# Altium PCB PCB2.PcbDoc (part 1 of 2)
Units mm, origin at the board's own origin, x right, y up, seen from the top; angles counter-clockwise.
Board outline 426.42 x 149.73 mm, 2 copper layers (Top Layer, Bottom Layer); 141 components, 61 nets, 312 pads, 761 vias.
Unrouted connection lines stored in the file: 1.
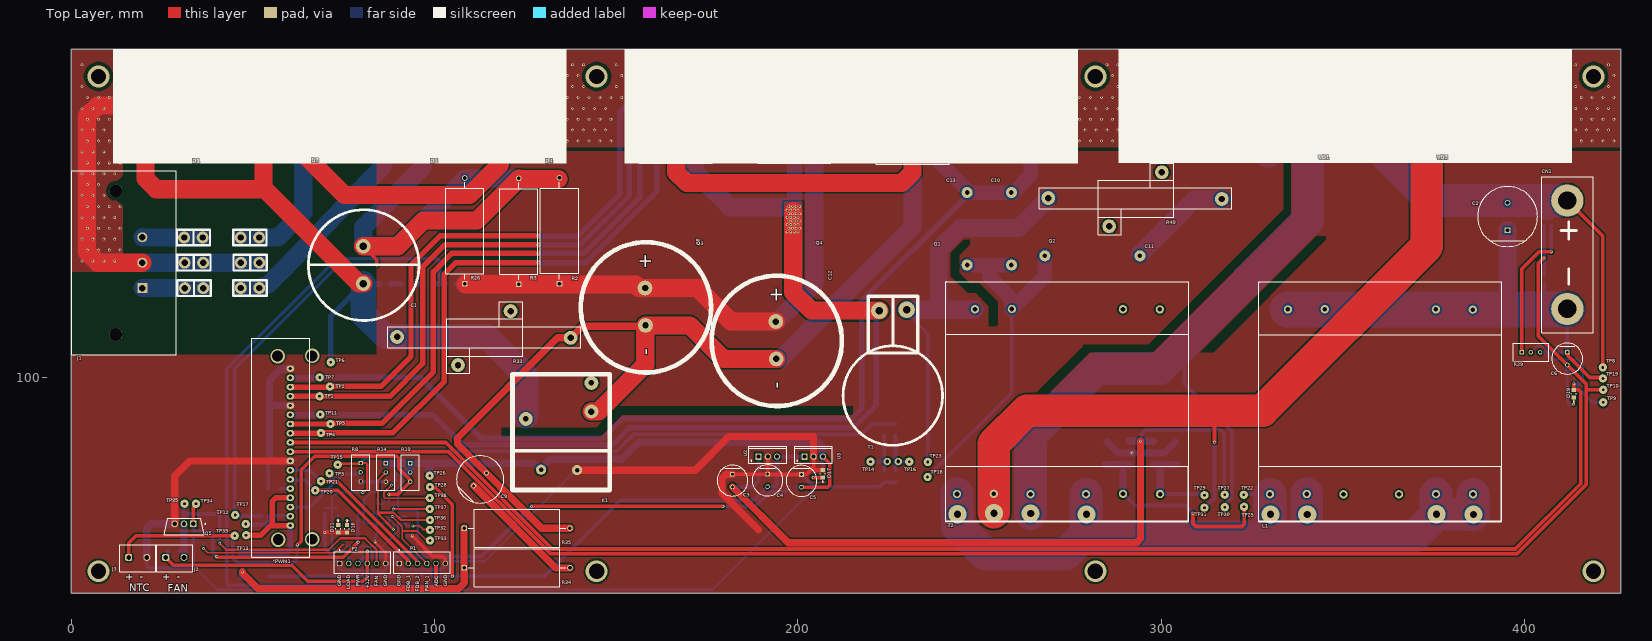
[diagram p0: Top Layer view]
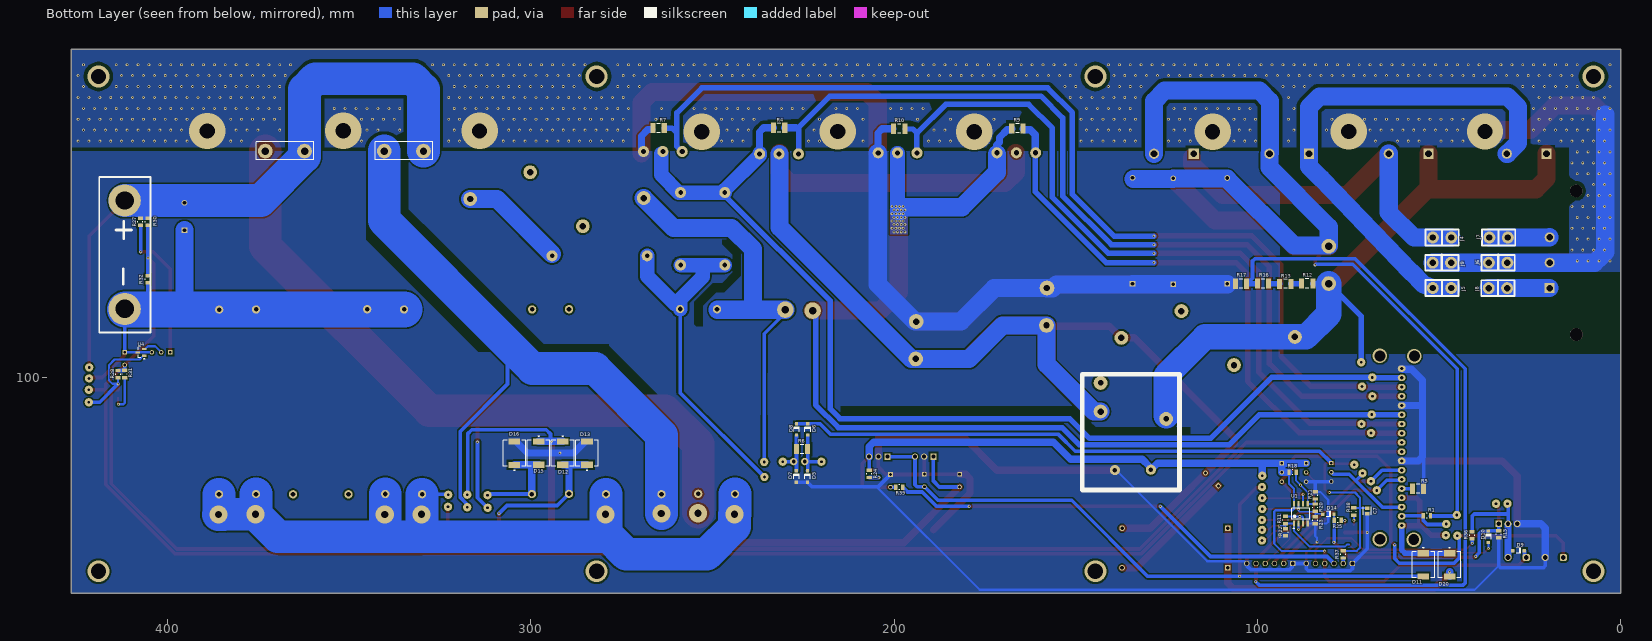
[diagram p1: Bottom Layer view, seen from below]
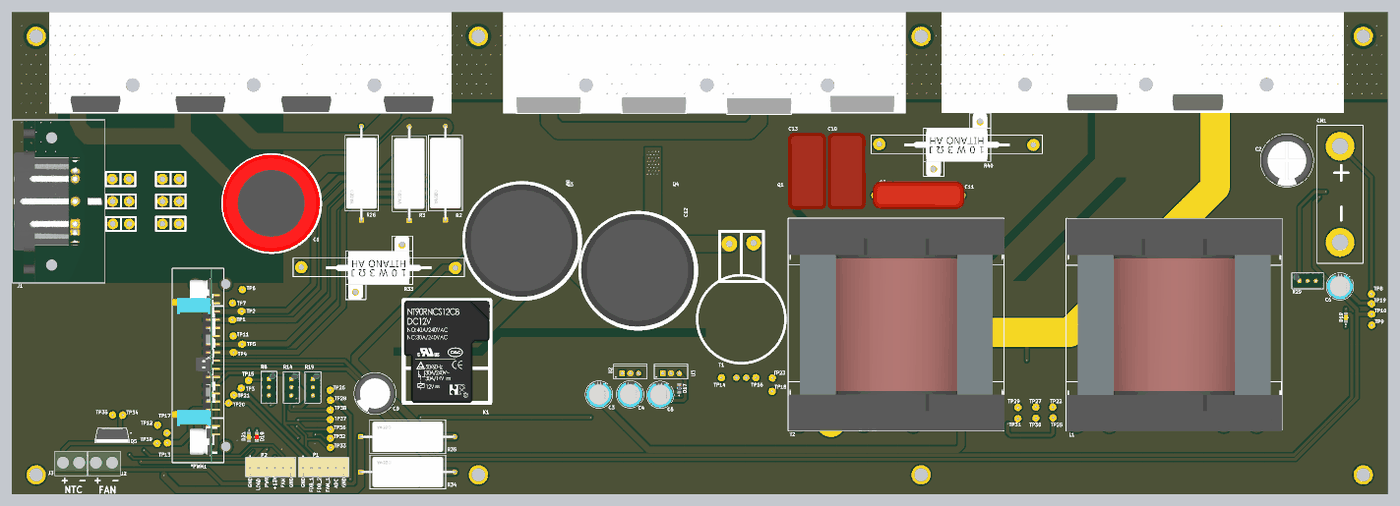
[diagram p3: 3D render of the assembled board from above, using the file's embedded part models]
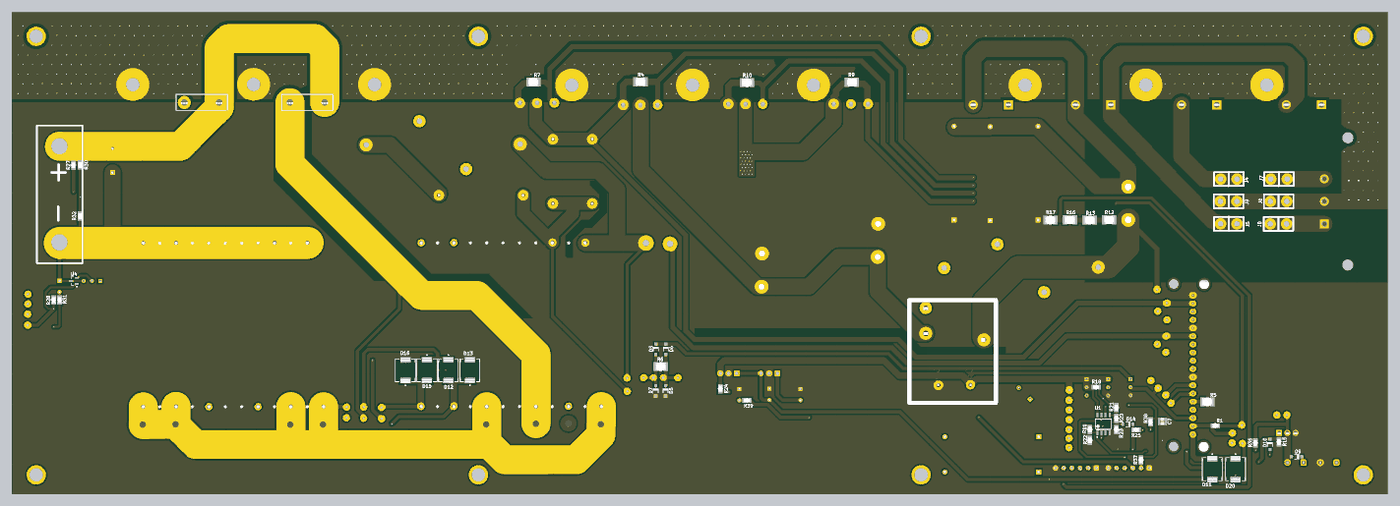
[diagram p4: 3D render of the assembled board from below, using the file's embedded part models]

## Layer stack, top to bottom
Top Solder: solder mask 0.0102, Solder Resist, Dk 3.5
Top Layer: signal copper 0.0356
Dielectric 1: dielectric 0.32, FR-4, Dk 4.8
Bottom Layer: signal copper 0.0356
Bottom Solder: solder mask 0.0102, Solder Resist, Dk 3.5

## Board outline
0,40.564 0,190.297 426.415,190.297 426.415,40.564

## Design rules (kind name [scope] priority, off if disabled: settings)
Clearance GND [InNet('GND')] p1: gap=0.5 ignorepadtopadclearanceinfootprint=FALSE
Clearance PE [InNet('PE')] p2: gap=1 ignorepadtopadclearanceinfootprint=FALSE
Clearance Clearance_1 [All] p3: gap=0.254 ignorepadtopadclearanceinfootprint=FALSE
ComponentClearance [All] p1: gap=-10 collisioncheckmode=3 verticalgap=-10 showdistances=FALSE
Height [All] p1: minheight=0 maxheight=68.58 prefheight=12.7
PlaneClearance [InNet('PE')] p1: clearance=5
PlaneConnect [All] p1: planeconnectstyle=Direct reliefexpansion=0.508 reliefentries=4 reliefconductorwidth=0.254 reliefairgap=0.254
PolygonConnect [All] p1: connectstyle=Direct reliefconductorwidth=0.254 reliefentries=4 polygonreliefangle="90 Angle" airgapwidth=0.254
RoomDefinition Sheet1 [InComponentClass('Sheet1')] p1: confinementstyle=ConfineIn formatcopy=TRUE lockcomponents=FALSE outline 0,0 626.999,0 626.999,336.804 0,336.804
RoutingVias [All] p1: holewidth=0.4 width=0.8 viastyle="Through Hole" minholewidth=0.4 minwidth=0.8 maxholewidth=0.711 maxwidth=1.27
SolderMaskExpansion [All] p1: expansion=0.102 istentingtop=FALSE
Width [All] p1: maxlimit=10 minlimit=0.254 preferedwidth=1 minimp=50.000000 maximp=50.000000 favimp=50.000000
26 further rules are at their usual default settings.

## Components (designator, comment, footprint, x,y, rotation, side; value= is the part's Value field where it differs from the comment)
*PWM1 "PWM_controller" PWM_controller 109.347,87.782 r270 top
C1 "450V_330uF" CAP_450V_330uF 75.946,133.274 r0 top
C2 "EEUFC2A471" FP-RAD-TH-D_16_0_5-L_40_2-MFG 395.224,144.221 r90 top
C3 "UKA1H101MPD1TD" FP-UKA1H101MPD1TD-MFG 181.966,71.577 r270 top
C4 "UKA1H101MPD1TD" FP-UKA1H101MPD1TD-MFG 191.618,71.631 r270 top
C5 "UKA1H101MPD1TD" FP-UKA1H101MPD1TD-MFG 200.965,71.504 r270 top
C6 "UKA1H101MPD1TD" FP-UKA1H101MPD1TD-MFG 411.658,105.133 r270 top
C7 "C0805C104K5RACTU" FP-C0805C-DN-MFG 69.799,63.221 r270 bottom value="0.10 μF"
C8 "450V_330uF" CAP_450V_470uF 158.166,119.228 r90 top
C9 "ECA2WM100" FP-RAD-TH-D_12_5_0_5-L_20-MFG 112.537,71.897 r45 top
C10 "3.3uF_630V" CAP_3.3uF_630V 258.724,139.776 r90 top
C11 "1.5uF_630V" CAP_1.5uf_400V 281.889,137.236 r180 top
C12 "450V_330uF" CAP_450V_470uF 194.158,110.007 r90 top
C13 "3.3uF_630V" CAP_3.3uF_630V 246.532,139.776 r90 top
CN1 "BAT_CON" Batarey_connector 412.191,149.149 r270 top
D1 "VS-40EPS12-M3" FP-96144-MFG 25.932,161.746 r90 top
D2 "VS-40EPS12-M3" FP-96144-MFG 58.42,161.721 r90 top
D3 "VS-40EPS12-M3" FP-96144-MFG 91.25,161.721 r90 top
D4 "VS-40EPS12-M3" FP-96144-MFG 122.987,161.722 r90 top
D5 "1N4148W-7-F" DIOD-SOD123-2_V 223.799,72.695 r90 bottom
D6 "1N4148W-7-F" DIOD-SOD123-2_V 223.723,85.674 r90 bottom
D7 "1N4148W-7-F" DIOD-SOD123-2_V 226.873,72.695 r90 bottom
D8 "1N4148W-7-F" DIOD-SOD123-2_V 226.822,85.674 r90 bottom
D9 "1N4148W-7-F" DIOD-SOD123-2_V 28.194,52.299 r180 bottom
D10 "1N4148W-7-F" DIOD-SOD123-2_V 36.449,56.109 r90 bottom
D11 "ES3D-E3/57T" FP-95402-MFG 54.356,48.412 r270 bottom value=45pF
D12 "ES3D-E3/57T" FP-95402-MFG 291.135,79.126 r270 bottom value=45pF
D13 "ES3D-E3/57T" FP-95402-MFG 284.455,79.126 r90 bottom value=45pF
D14 "1N4148W-7-F" DIOD-SOD123-2_V 80.493,62.357 r180 bottom
D15 "ES3D-E3/57T" FP-95402-MFG 297.764,79.126 r270 bottom value=45pF
D16 "ES3D-E3/57T" FP-95402-MFG 304.444,79.1 r90 bottom value=45pF
D17 "151031YS06000" LED_BLUE 206.858,73.431 r90 top
D18 "151031YS06000" Wurth_Electronics_0_MFG 75.921,58.344 r270 top
D19 "151031YS06000" LED_Yellow 413.487,95.479 r90 top
D20 "ES3D-E3/57T" FP-95402-MFG 47.142,48.412 r270 bottom value=45pF
D21 "151031YS06000" LED_GREEN 73.508,58.369 r270 top
J1 "703W-00/52" FP-703W-00-52-MFG 14.554,131.521 r270 top
J2 "691137710002" 691137710002 28.535,50.178 r0 top
J3 "691137710002" 691137710002 18.339,50.178 r0 top
J4 "Klema_15_A" Klema_PCB_15A 49.2,138.455 r0 bottom
J5 "Klema_15_A" Klema_PCB_15A 49.225,124.562 r180 bottom
J6 "Klema_15_A" Klema_PCB_15A 33.782,131.521 r0 bottom
J7 "Klema_15_A" Klema_PCB_15A 33.655,138.455 r180 bottom
J8 "Klema_15_A" Klema_PCB_15A 33.833,124.536 r180 bottom
J9 "Klema_15_A" Klema_PCB_15A 49.276,131.521 r180 bottom
J10 "PRT-10474" FP-PRT-10474-MFG 442.316,111.658 r180 top
K1 "T9AS1D12-48" NT90RNCS12CB 131.851,81.686 r0 top
L1 "750311457" Transformer 262.941,81.94 r0 top
P1 "61900611121" 61900611121 96.596,49.068 r180 top
P2 "61900611121" 61900611121 80.213,49.068 r180 top
Q1 "IGW60T120" TO-264-3 231.623,162.103 r0 top
Q2 "IGW60T120" TO-264-3 263.601,162.738 r0 top
Q3 "IGW60T120" TO-264-3 166.345,162.408 r0 top
Q4 "IGW60T120" TO-264-3 199.009,162.382 r0 top
Q5 "IRFZ44ZPBF" FP-PG-TO220-3-MFG 31.064,58.897 r270 top
R1 "470 Ohm" FP-CRCW0805-e3-MFG 53.365,61.9 r0 bottom
R2 "SQP500JB-1R2" FP-SQP500-MFG 134.366,140.31 r90 top value=1.2Ω
R3 "SQP500JB-1R2" FP-SQP500-MFG 123.165,140.157 r90 top value=1.2Ω
R4 "3,3K" FP-CRCW1210-e3-IPC_A 231.597,168.656 r180 bottom
R5 "10K" FP-CRCW1210-e3-IPC_A 55.829,69.317 r0 bottom
R6 "CRCW12100000Z0EA" FP-CRCW1210-e3-IPC_A 225.298,80.239 r180 bottom
R7 "3,3K" FP-CRCW1210-e3-IPC_A 264.773,168.558 r180 bottom
R8 "3296W-1-202LF" Bourns_3296W_MFG 79.659,73.863 r180 top
R9 "3,3K" FP-CRCW1210-e3-IPC_A 166.065,168.478 r180 bottom
R10 "3,3K" FP-CRCW1210-e3-IPC_A 198.552,168.377 r180 bottom locked
R11 "1M" FP-CRCW0805-e3-MFG 92.278,60.731 r90 bottom
R12 "300K" FP-CRCW1210-e3-IPC_A 86.309,125.806 r180 bottom
R13 "300K" FP-CRCW1210-e3-IPC_A 92.33,125.705 r180 bottom
R14 "3296W-1-202LF" Bourns_3296W_MFG 86.614,73.812 r180 top
R15 "10K" FP-CRCW0805-e3-MFG 33.63,56.82 r90 bottom
R16 "300K" FP-CRCW1210-e3-IPC_A 98.476,125.781 r180 bottom
R17 "1K" FP-CRCW1210-e3-IPC_A 104.522,125.755 r180 bottom
R18 "20K" FP-CRCW0805-e3-MFG 90.348,73.863 r0 bottom
R19 "3296W-1-202LF" Bourns_3296W_MFG 93.299,73.812 r180 top
R20 "1M" FP-CRCW0805-e3-MFG 84.074,64.16 r90 bottom
R21 "20K" FP-CRCW0805-e3-MFG 84.074,67.488 r270 bottom
R22 "10K" FP-CRCW0805-e3-MFG 92.278,57.379 r90 bottom
R23 "10K" FP-CRCW0805-e3-MFG 84.074,60.706 r90 bottom
R24 "10K" FP-CRCW0805-e3-MFG 206.807,73.406 r90 bottom
R25 "10K" FP-CRCW0805-e3-MFG 77.927,60.63 r0 bottom
R26 "SQP500JB-1R2" FP-SQP500-MFG 108.331,140.284 r90 top value=1.2Ω
R27 "51K" FP-CRCW0805-e3-MFG 407.34,142.789 r90 bottom
R28 "510 Ohm" FP-CRCW0805-e3-MFG 413.487,100.889 r90 bottom
R29 "3296W-1-202LF" Bourns_3296W_MFG 401.625,106.863 r270 top
R30 "51K" FP-CRCW0805-e3-MFG 405.282,142.824 r90 bottom
R31 "10K" FP-CRCW0805-e3-MFG 411.658,100.904 r90 bottom
R32 "10K" FP-CRCW0805-e3-MFG 405.282,126.949 r90 bottom
R33 "100 Omh" "10W 3 Ohm" 117.881,113.513 r0 top
R34 "SQP500JB-1R2" FP-SQP500-MFG 122.707,47.549 r0 top value=1.2Ω
R35 "SQP500JB-1R2" FP-SQP500-MFG 122.681,58.471 r0 top value=1.2Ω
R36 "10K" FP-CRCW0805-e3-MFG 40.945,56.515 r270 bottom
R37 "10K" FP-CRCW0805-e3-MFG 76.429,51.257 r90 bottom
R38 "10K" FP-CRCW0805-e3-MFG 73.482,63.068 r90 bottom
R39 "10K" FP-CRCW0805-e3-MFG 198.577,69.748 r0 bottom
R40 "RES_10W" "10W 3 Ohm" 297.053,151.714 r0 top
T1 "Current_SENS" Current_SENS 228.117,127.483 r0 top
T2 "750311457" Transformer 176.835,81.991 r0 top
TP1 "Test_Point_PCB" Test_Point 68.377,94.767 r270 top
TP2 "Test_Point_PCB" Test_Point 71.222,97.434 r270 top
TP3 "Test_Point_PCB" Test_Point 71.095,73.584 r0 top
TP4 "Test_Point_PCB" Test_Point 68.732,84.684 r270 top
TP5 "Test_Point_PCB" Test_Point 71.374,87.173 r270 top
TP6 "Test_Point_PCB" Test_Point 71.45,104.14 r0 top
TP7 "Test_Point_PCB" Test_Point 68.402,99.974 r0 top
TP8 "Test_Point_PCB" Test_Point 421.437,102.718 r0 top
TP9 "Test_Point_PCB" Test_Point 421.538,93.116 r0 top
TP10 "Test_Point_PCB" Test_Point 421.538,96.545 r90 top
TP11 "Test_Point_PCB" Test_Point 68.58,89.738 r90 top
TP12 "Test_Point_PCB" Test_Point 45.136,62.103 r90 top
TP13 "Test_Point_PCB" Test_Point 48.158,56.566 r90 top
TP14 "Test_Point_PCB" Test_Point 219.964,76.784 r90 top
TP15 "Test_Point_PCB" Test_Point 73.355,75.946 r90 top
TP16 "Test_Point_PCB" Test_Point 230.607,76.784 r90 top
TP17 "Test_Point_PCB" Test_Point 48.057,59.614 r90 top
TP18 "Test_Point_PCB" Test_Point 235.661,72.568 r90 top
TP19 "Test_Point_PCB" Test_Point 421.462,99.695 r90 top
TP20 "Test_Point_PCB" Test_Point 67.158,68.885 r90 top
TP21 "Test_Point_PCB" Test_Point 68.758,71.399 r90 top
TP22 "Test_Point_PCB" Test_Point 322.656,67.666 r90 top
TP23 "Test_Point_PCB" Test_Point 235.712,76.708 r90 top
TP25 "Test_Point_PCB" Test_Point 322.732,64.364 r90 top
TP26 "Test_Point_PCB" Test_Point 98.654,72.923 r90 top
TP27 "Test_Point_PCB" Test_Point 317.398,67.691 r90 top
TP28 "Test_Point_PCB" Test_Point 98.73,69.799 r90 top
TP29 "Test_Point_PCB" Test_Point 311.836,67.564 r90 top
TP30 "Test_Point_PCB" Test_Point 317.424,64.237 r90 top
TP31 "Test_Point_PCB" Test_Point 311.81,64.084 r90 top
TP32 "Test_Point_PCB" Test_Point 98.73,58.014 r90 top
TP33 "Test_Point_PCB" Test_Point 98.755,55.118 r90 top
TP34 "Test_Point_PCB" Test_Point 34.341,65.202 r90 top
TP35 "Test_Point_PCB" Test_Point 31.217,65.227 r90 top
TP36 "Test_Point_PCB" Test_Point 98.755,60.731 r90 top
TP37 "Test_Point_PCB" Test_Point 98.704,63.779 r90 top
TP38 "Test_Point_PCB" Test_Point 98.704,66.777 r90 top
TP39 "Test_Point_PCB" Test_Point 45.009,56.413 r90 top
U1 "LM358DR" FP-D0008A-MFG 88.062,62.459 r90 bottom
U2 "L7818CV" TO220 191.694,78.156 r0 top
U3 "L7812CV" TO220 204.292,78.156 r0 top
U4 "TL431AIL3T" SOT23-3_L 407.187,106.858 r0 bottom
VD1 "MUR4060" TO-247-2 324.129,164.897 r0 top
VD2 "MUR4060" TO-247-2 356.845,164.897 r0 top

## Footprints (in the part's own frame and the unit in brackets; to place one, negate y for a bottom-side part, rotate by r counter-clockwise, add the part's x,y. Pads: shape width x height; smd on the part's side, far side on the other; paste and mask are expansions set on the pad)
"10W 3 Ohm" [mil]
  round 150 hole 70: 1(-1110,-95) 2(770,-105) GND(-450,-400) GND(120,185)
  silkscreen extent -1210,-490 880,285, body extent -810,-491 481,285, height 417
61900611121 [mm] "2.54mm Male Locking Header, 6p"
  rrect50% 1.5x1.5 hole 1: 1(6.35,0.3)
  round 1.5 hole 1: 2(3.81,0.3) 3(1.27,0.3) 4(-1.27,0.3) 5(-3.81,0.3) 6(-6.35,0.3)
  silkscreen extent -7.79,-3.52 7.79,2.98, body extent -7.62,-2.9 7.62,2.9, height 11.53
691137710002 [mm] "Horizontal Cable Entry with Pressure Clamp, pitch 5mm, 02p"
  rrect50% 1.95x1.95 hole 1.3: 1(-2.5,0.25)
  round 1.95 hole 1.3: 2(2.5,0.25)
  silkscreen extent -5,-3.75 5,3.75, body extent -5,-3.75 5,3.75, height 11.6
Batarey_connector [mil]
  round 350 hole 200: 1(20,-20) 2(1195,-20)
  silkscreen extent -235,-300 1450,260
Bourns_3296W_MFG [mm]
  rect 1.2x1.2 hole 0.7 paste-1000 mask+0: 1(0.005,-2.54)
  round 1.2 hole 0.7 paste-1000 mask+0: 2(0.005,0) 3(0.005,2.54)
  silkscreen extent -2.48,-4.89 2.48,4.89, body extent -2.58,-4.99 2.58,4.99, height 0.25
CAP_1.5uf_400V [mil]
  round 120 hole 50: 1(-480,150) 2(550,150)
  body extent -527,-19 595,319, height 695
CAP_3.3uF_630V [mil]
  round 120 hole 50: 1(-350,0) 2(435,0)
  body extent -430,-236 515,236, height 804
CAP_450V_330uF [mil]
  round 160 hole 80: 1(175,-295) 2(175,110)
  silkscreen extent -420,-694 779,504, body extent -420,-690 771,503, height 2065
CAP_450V_470uF [mil]
  round 160 hole 70: 1(-195,5) 2(210,10)
  silkscreen extent -706,-706 706,705, body extent -684,-679 698,703, height 2044
Current_SENS [mil]
  round 180 hole 80: 1(-225,-360) 2(70,-350)
  round 80 hole 40: 3(-140,-1995) 4(-20,-1995)
  silkscreen extent -619,-1818 459,-205, body extent -624,-2012 464,-307, height 265
DIOD-SOD123-2_V [mm] "SOD123, 2-Leads, Body 2.7x1.55mm, Height 1.45mm"
  rect 0.9x0.95 smd: 1(-1.575,0) 2(1.575,0)
  silkscreen extent -0.64,-0.82 0.64,0.77, body extent -1.35,-0.77 1.35,0.77, height 1.45
FP-703W-00-52-MFG [mm]
  rect 2.75x2.75 hole 1.8 paste-1000 mask+0: 1(7,5.05)
  round 2.75 hole 1.8 paste-1000 mask+0: 2(0,5.05) 3(-7,5.05)
  round 3.5 hole 3.5 unplated paste-1000 mask+0: ""(-19.75,-2.25) ""(19.75,-2.25)
  silkscreen extent -25.3,-14.35 25.3,14.93, body extent -25.4,-14.45 25.4,14.45, height 0.25
FP-95402-MFG [mm]
  rect 1.72x3.2 smd paste+0 mask+0: 1(-3.205,0) 2(3.205,0)
  silkscreen extent -4.82,-3.11 3.55,3.11, body extent -3.97,-2.95 3.97,2.95, height 2.62
FP-96144-MFG [mm]
  rect 2.8x2.8 hole 1.85 paste-1000 mask+0: 1(-0.228,5.46)
  round 2.8 hole 1.85 paste-1000 mask+0: 3(-0.228,-5.46)
  silkscreen extent -2.66,-7.94 2.66,8.56, body extent -2.76,-8.04 2.76,8.04, height 0.25
FP-C0805C-DN-MFG [mm]
  rect 0.95x1.35 smd paste+0 mask+0: 1(-0.75,0) 2(0.75,0)
  silkscreen extent -1.1,-1.07 1.1,1.07, body extent -1,-0.63 1,0.63, height 0.88
FP-CRCW0805-e3-MFG [mm]
  rect 0.95x1.45 smd paste+0 mask+0: 1(-0.975,0) 2(0.975,0)
  silkscreen extent -0.13,-0.7 0.13,0.7, body extent -1,-0.63 1,0.63, height 0.5
FP-CRCW1210-e3-IPC_A [mm]
  rect 1.405x2.806 smd paste+0 mask+0: 1(-1.551,0) 2(1.551,0)
  silkscreen extent -0.47,-1.25 0.47,1.25, body extent -1.6,-1.25 1.6,1.25, height 0.6
FP-D0008A-MFG [mm]
  rrect17% 1.55x0.6 smd paste+0 mask+0: 1(-2.7,1.905) 2(-2.7,0.635) 3(-2.7,-0.635) 4(-2.7,-1.905) 5(2.7,-1.905) 6(2.7,-0.635) 7(2.7,0.635) 8(2.7,1.905)
  silkscreen extent -4.17,-2.5 1.5,2.5, body extent -3,-2.45 3,2.45, height 1.75
FP-PG-TO220-3-MFG [mm]
  rect 1.85x1.85 hole 1.2 paste-1000 mask+0: 1(-0.767,2.54)
  round 1.85 hole 1.2 paste-1000 mask+0: 2(-0.767,0) 3(-0.767,-2.54)
  silkscreen extent -2.27,-5.45 2.27,5.98, body extent -2.37,-5.55 2.37,5.55, height 0.25
FP-PRT-10474-MFG [mm]
  body extent -4.16,-7.97 4.16,7.97, height 0.25
FP-RAD-TH-D_12_5_0_5-L_20-MFG [mm]
  rect 1.3x1.3 hole 0.8 paste-1000 mask+0: 1(-2.5,0)
  round 1.3 hole 0.8 paste-1000 mask+0: 2(2.5,0)
  silkscreen extent -6.5,-6.5 6.5,6.5, body extent -6.6,-6.6 6.6,6.6, height 0.25
FP-RAD-TH-D_16_0_5-L_40_2-MFG [mm]
  rect 1.55x1.55 hole 1 paste-1000 mask+0: 1(-3.75,0)
  round 1.55 hole 1 paste-1000 mask+0: 2(3.75,0)
  silkscreen extent -8.25,-8.25 8.25,8.25, body extent -8.35,-8.35 8.35,8.35, height 0.25
FP-SQP500-MFG [mm]
  rect 1.55x1.55 hole 1 paste-1000 mask+0: 1(-14.555,0)
  round 1.55 hole 1 paste-1000 mask+0: 2(14.555,0)
  silkscreen extent -13.38,-5.25 13.38,5.25, body extent -15.43,-5.35 15.43,5.35, height 0.25
FP-UKA1H101MPD1TD-MFG [mm]
  rect 1.25x1.25 hole 0.75 paste-1000 mask+0: 1(-1.75,0)
  round 1.25 hole 0.75 paste-1000 mask+0: 2(1.75,0)
  silkscreen extent -4.25,-4.25 4.25,4.25, body extent -4.35,-4.35 4.35,4.35, height 0.25
Klema_PCB_15A [mil]
  round 130 hole 70: 1(-100,0) 1(100,0)
  silkscreen extent -180,-85 180,85, body extent -161,-16 161,16, height 129
LED_BLUE [mm]
  rect 1.1x1.2 smd paste+0 mask+0: 1(-1.05,0) 2(1.05,0)
  silkscreen extent -2.27,-0.67 0.13,0.67, body extent -1,-0.63 1,0.63, height 0.8
LED_GREEN [mm]
  rect 1.1x1.2 smd paste+0 mask+0: 1(-1.05,0) 2(1.05,0)
  silkscreen extent -2.27,-0.67 0.13,0.67, body extent -1,-0.63 1,0.63, height 0.8
LED_Yellow [mm]
  rect 1.1x1.2 smd paste+0 mask+0: 1(-1.05,0) 2(1.05,0)
  silkscreen extent -2.27,-0.67 0.13,0.67, body extent -1,-0.63 1,0.63, height 0.8
NT90RNCS12CB [mil]
  round 150 hole 70: 1(445,350)
  round 150 hole 60: 2(-265,270) 6(445,660)
  round 110 hole 50: 3(-100,-280) 4(290,-285)
  silkscreen extent -410,-500 650,755, body extent -408,-499 640,749, height 157
PWM_controller [mil]
  oval 70x85 hole 35: 1(1125,-1930) 2(1025,-1930) 3(925,-1930) 4(825,-1930) 5(725,-1930) 6(625,-1930) 7(525,-1930) 8(425,-1930) 9(325,-1930) 10(225,-1930) 11(125,-1930) 12(25,-1930) 13(-75,-1930) 14(-175,-1930) 15(-275,-1930) 16(-375,-1930) 17(-475,-1930) 18(-575,-1930)
  silkscreen extent -905,-2350 1470,-1720, body extent -896,-2352 1466,-1720, height 2330
SOT23-3_L [mm] "SOT23, 3-Leads, Body 2.9x1.3mm, Pitch 0.95mm, Lead Span 2.4mm, IPC High Density"
  rect 1.2x0.6 smd: 1(-0.9,0.95) 2(-0.9,-0.95) 3(0.9,0)
  silkscreen extent -1.02,-1.5 0.7,1.92, body extent -0.7,-1.52 0.7,1.52, height 1.12
Test_Point [mil]
  round 90 hole 30 unplated paste+4 mask+4: 1(0,0)
TO220 [mm] "TO, Thru-Hole, Vertical, Heatsink Mounted; 3 In-Line Leads; Pitch 2.54 mm"
  rect 1.7x1.7 hole 1.1: 1(-2.54,0)
  round 1.7 hole 1.1: 2(0,0) 3(2.54,0)
  silkscreen extent -5.2,-1.75 5.2,2.85, body extent -5.25,-1.8 5.25,2.9, height 19.7
TO-247-2 [mil]
  round 160 hole 80: 1(210,-105) 2(635,-105)
  silkscreen extent 110,-200 735,-5, body extent 113,-202 735,-5, height 1200
TO-264-3 [mil]
  round 120 hole 55: 1(-210,-25) 2(0,-25) 3(210,-25)
  silkscreen extent -395,-140 395,60, body extent -394,-138 394,59, height 1262
Transformer [mil]
  round 90 hole 50: 1(2829,1446) 2(3229,1448) 3(4432,1446) 4(4832,1444) 5(2634,-555) 6(3033,-553) 7(4433,-554) 8(4834,-556) 9(3431,-557) 10(4032,-557)
  silkscreen extent 2511,-854 5146,1747, body extent 2515,-858 5149,1744, height 2024
Wurth_Electronics_0_MFG [mm]
  rect 1.1x1.2 smd paste+0 mask+0: 1(-1.05,0) 2(1.05,0)
  silkscreen extent -2.27,-0.67 0.13,0.67, body extent -1,-0.63 1,0.63, height 0.8
